# KiCad board FluOpti_V3.0.kicad_pcb
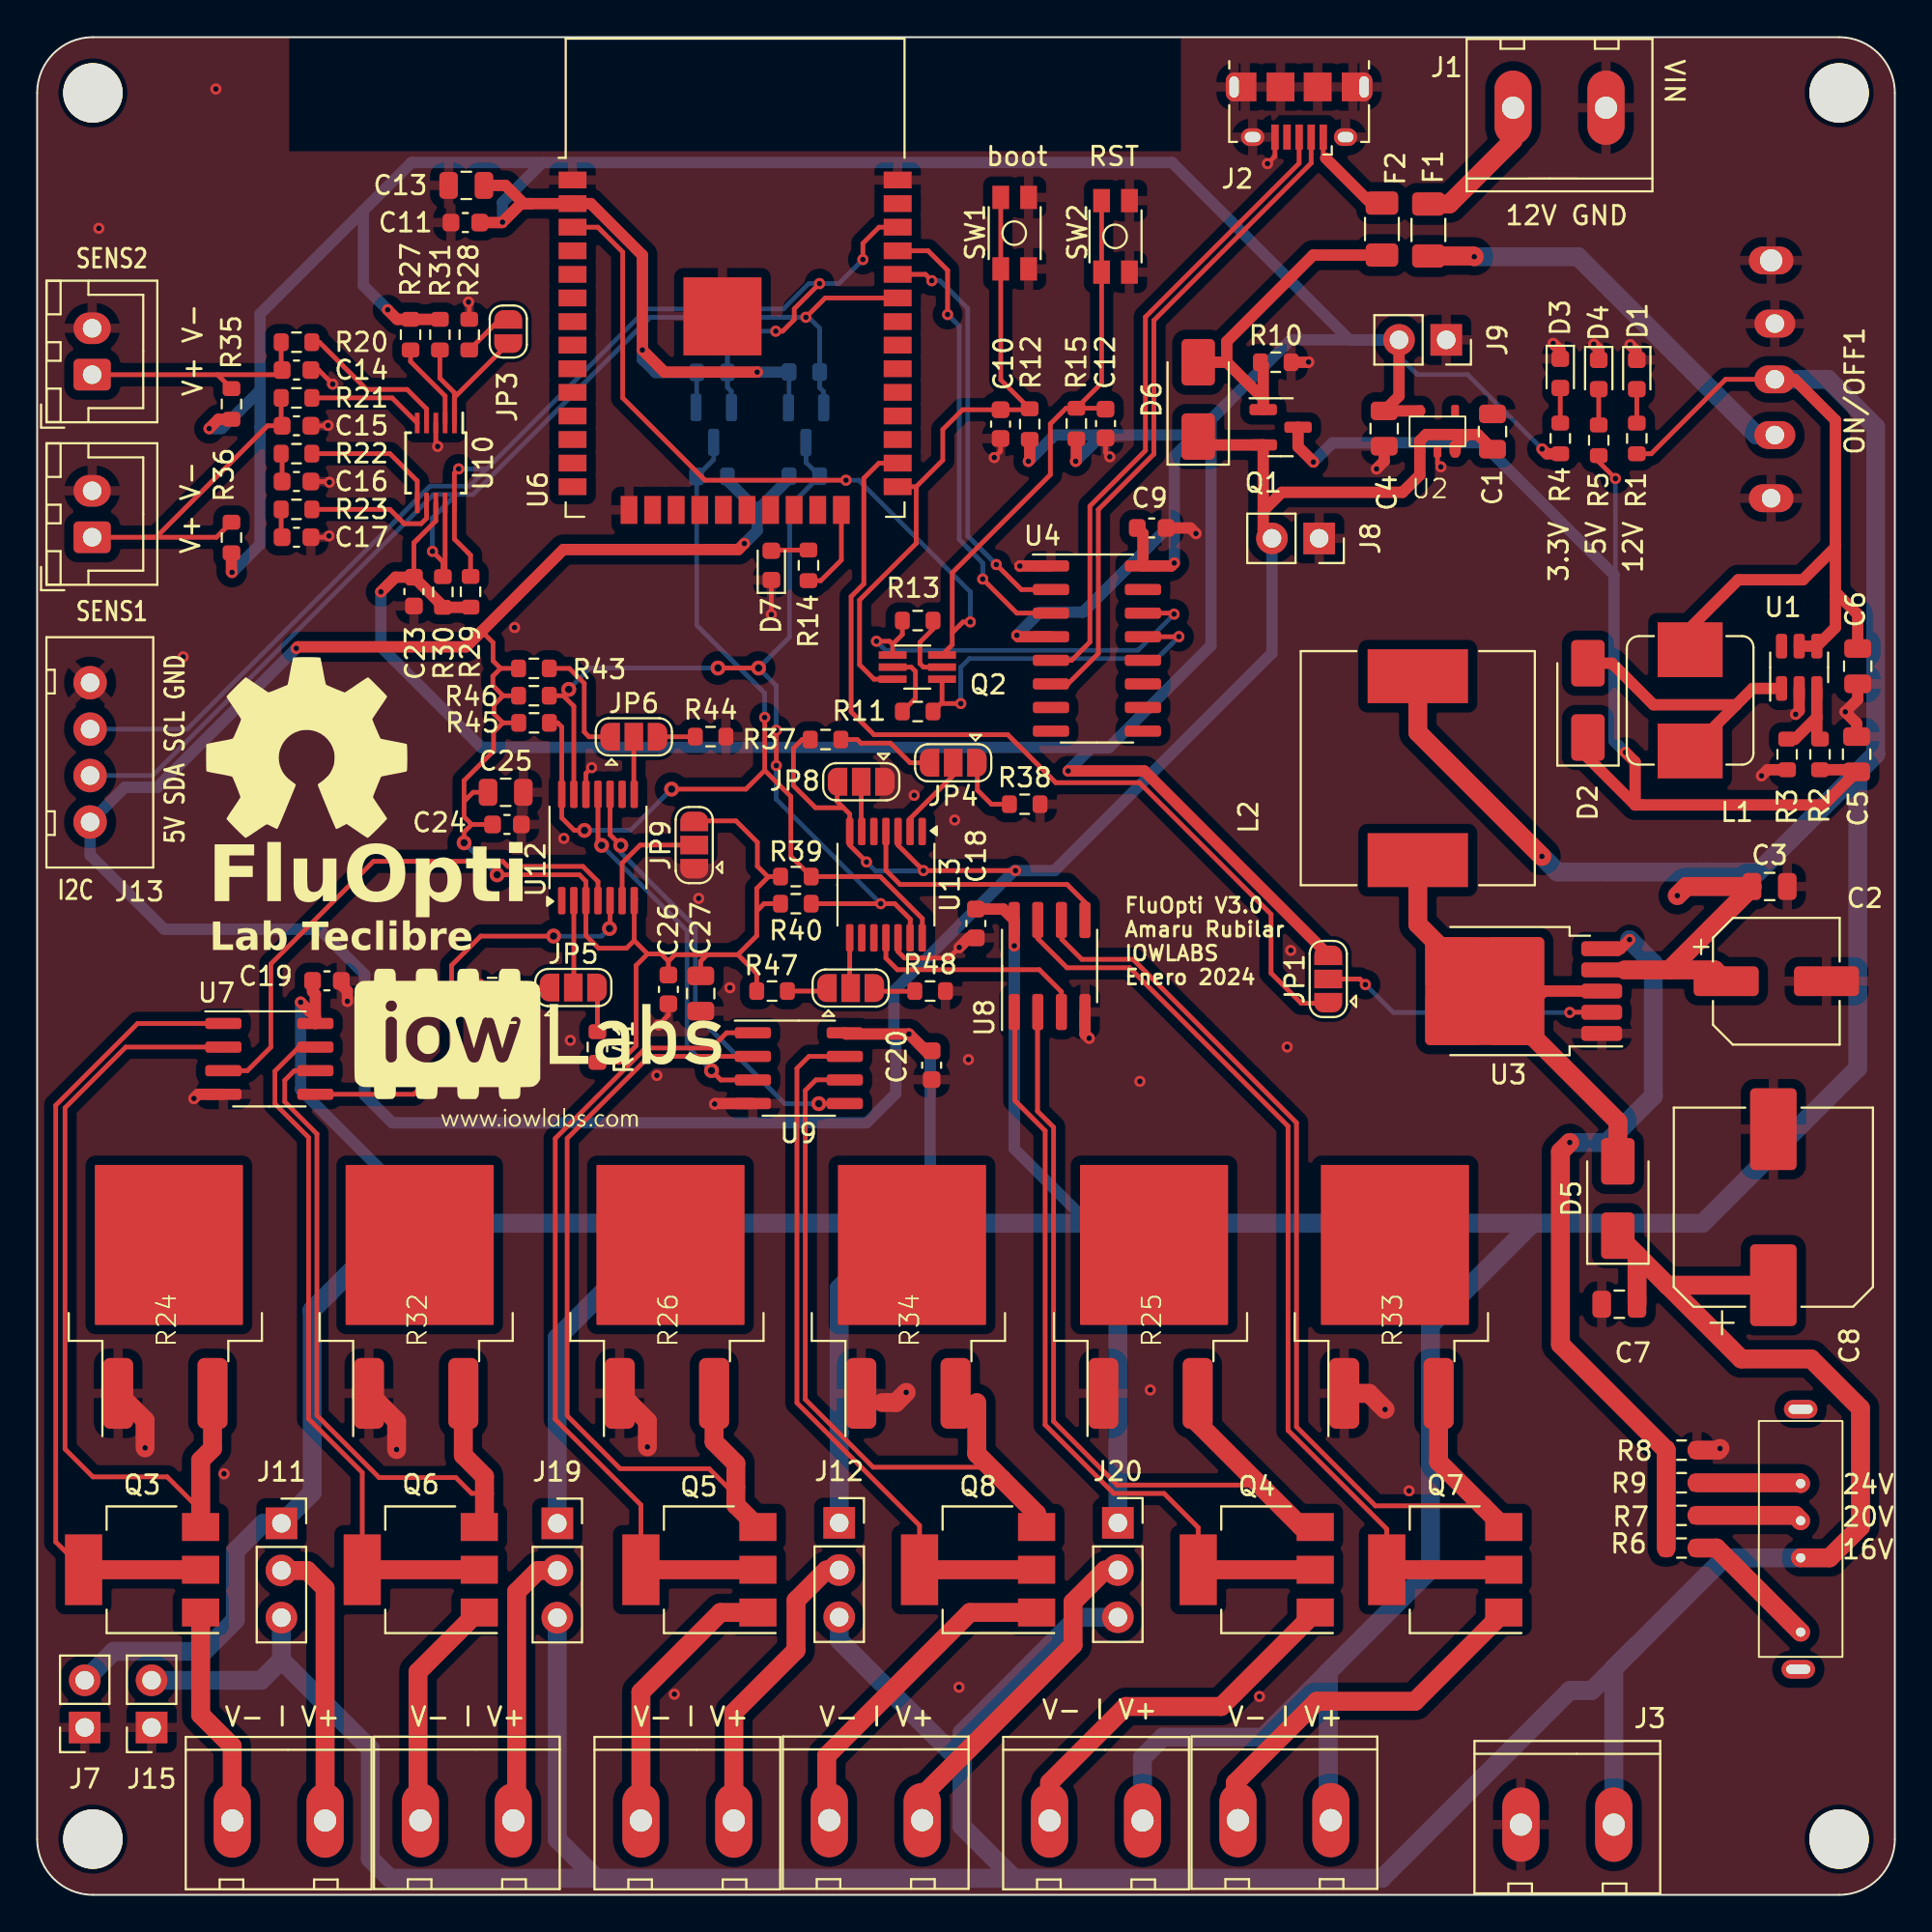
[diagram p0: board, top side]
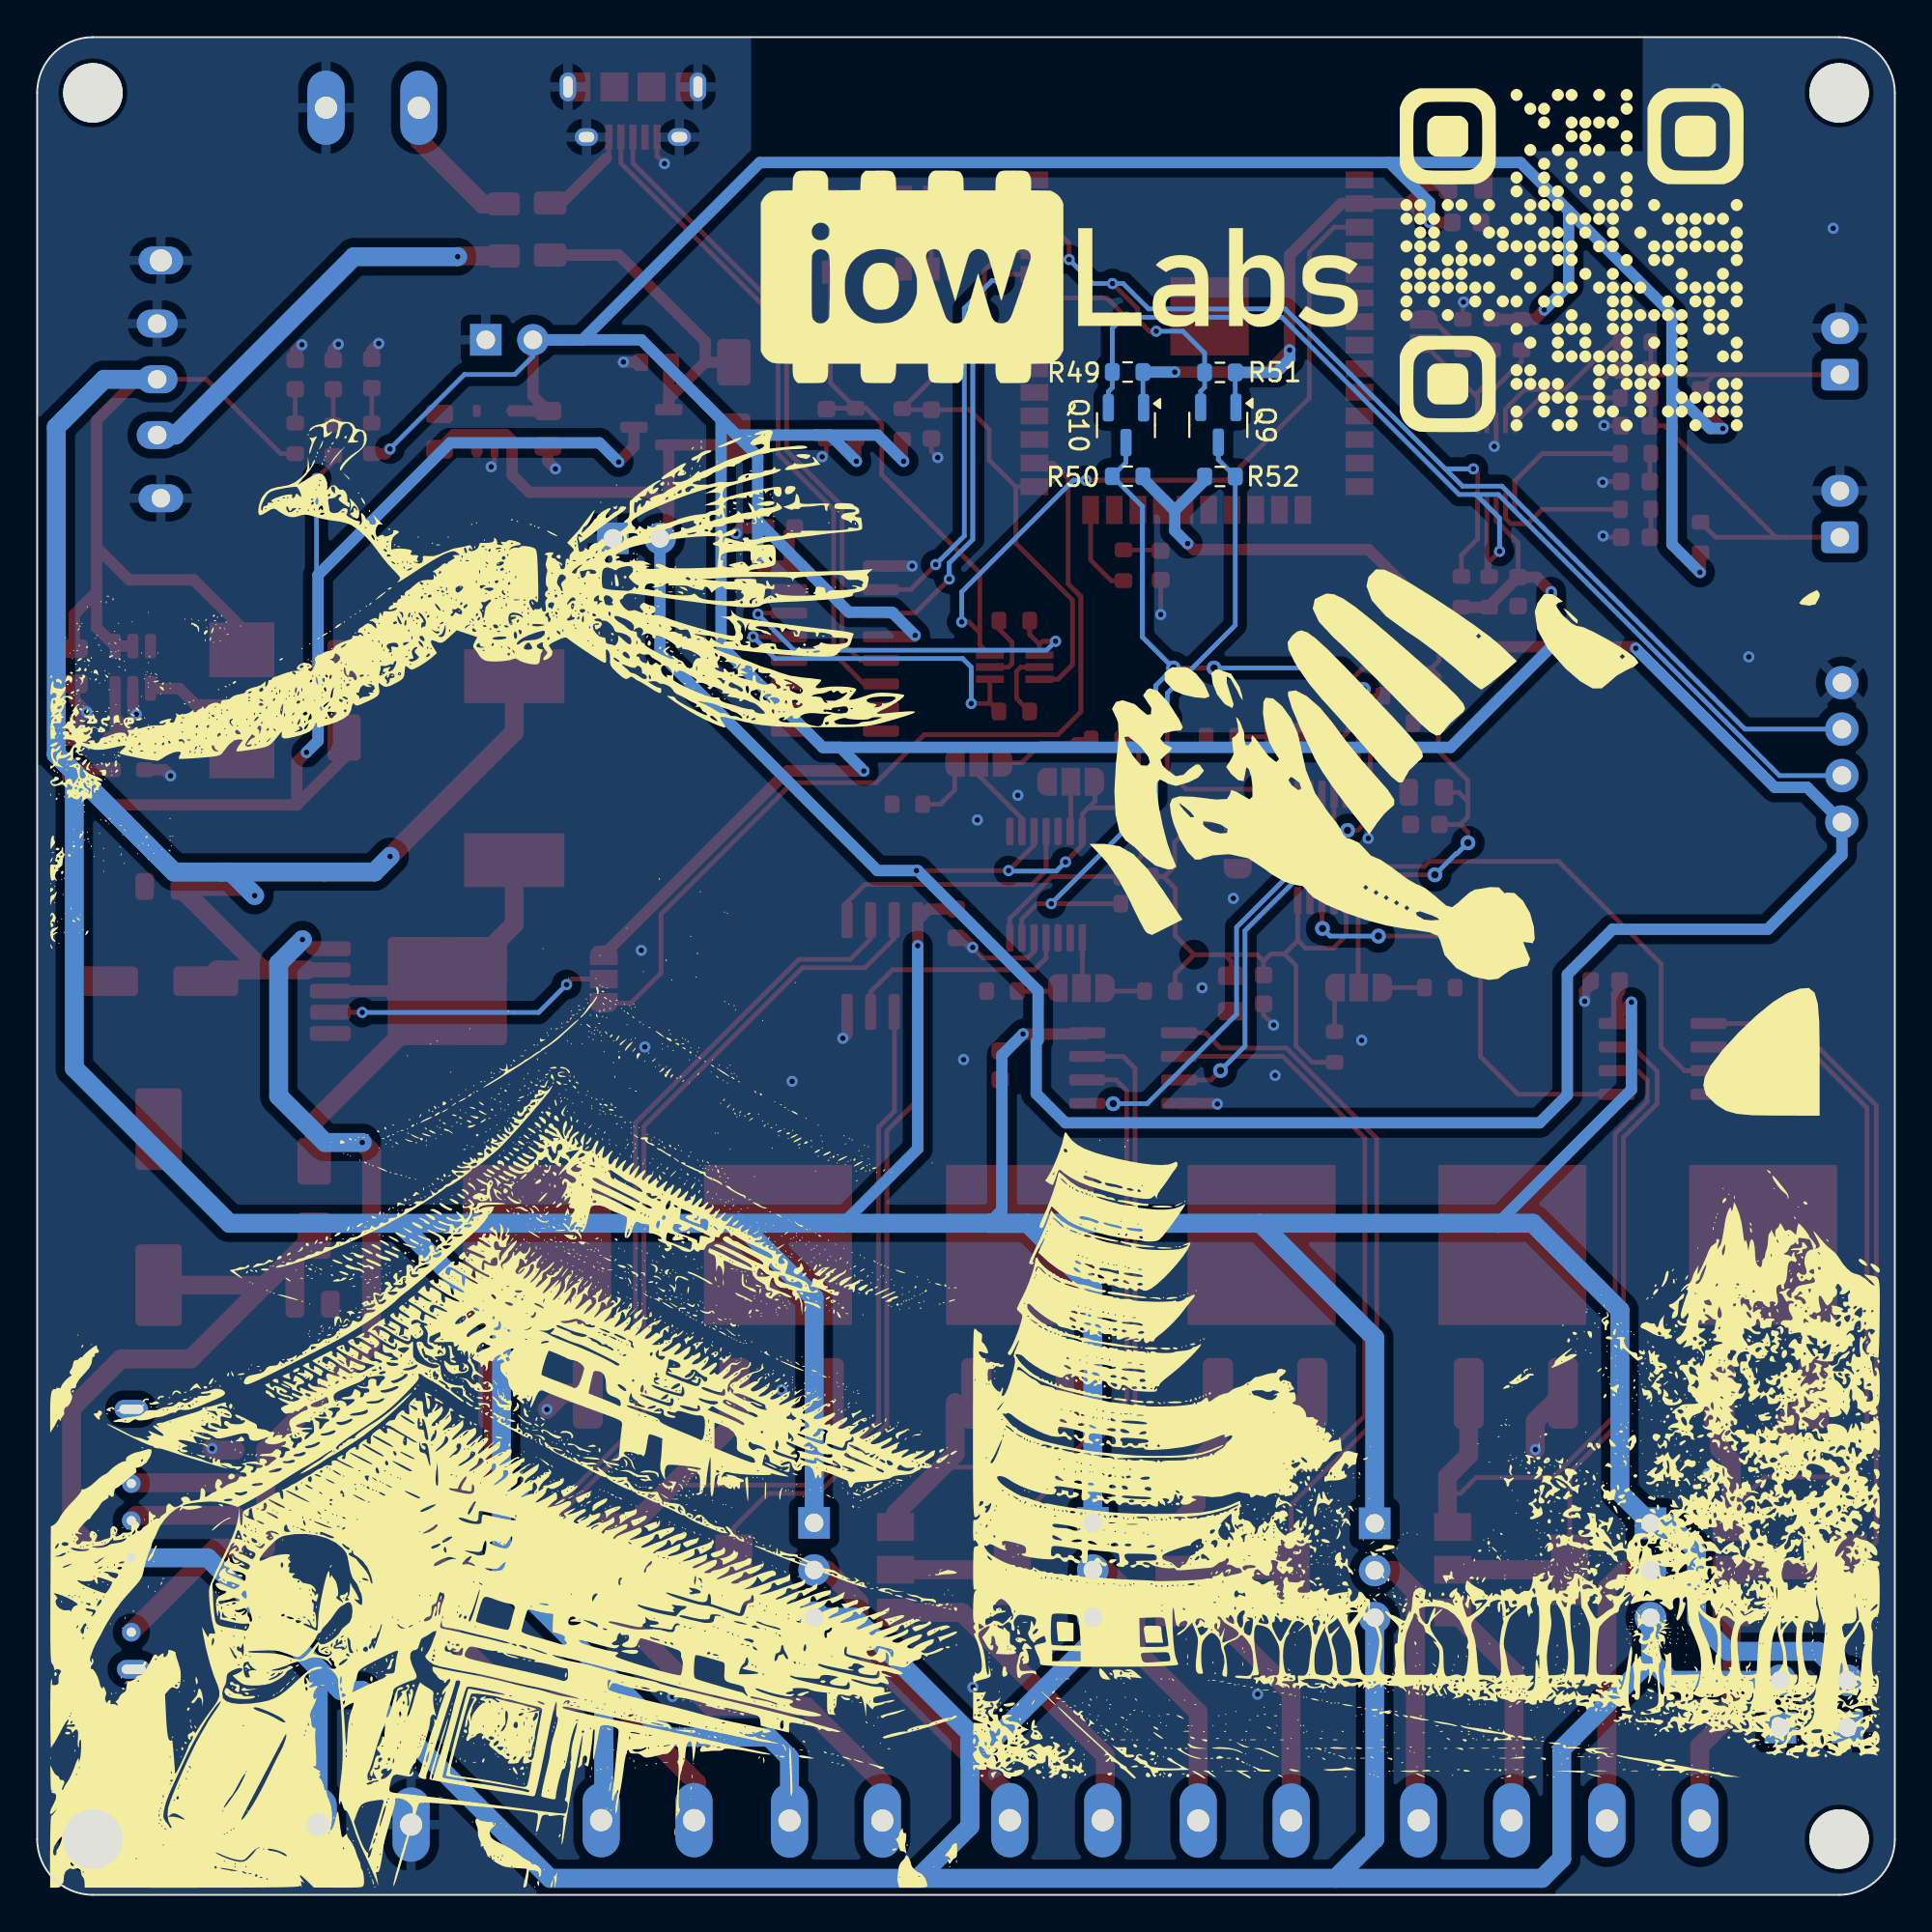
[diagram p1: board, bottom side, seen from below]

Outline 100 x 100 mm; copper layers: Top, Bottom. Coordinates in mm from the lower left corner of the outline.
Outline path: 0,97 0,3 arc(0.88,0.88) 3,0 97,0 arc(99.12,0.88) 100,3 100,97 arc(99.12,99.12) 97,100 3,100 arc(0.88,99.12) 0,97

## Placement (name value [footprint] x y rotation side)
C1  1u  [C_0805_2012Metric]  78.34 78.77 90 top
C2  47u  [CP_Elec_6.3x7.7]  93.62 49.18 0 top
C3  1u  [C_0805_2012Metric]  93.26 54.28 0 top
C4  1u  [C_0805_2012Metric]  72.51 78.93 270 top
C5  22u  [C_0805_2012Metric]  97.94 61.4 90 top
C6  22u  [C_0805_2012Metric]  98 66.14 270 top
C7  1u  [C_0805_2012Metric]  85.17 31.79 180 top
C8  220u  [CP_Elec_10x10.5]  93.46 37.02 90 top
C9  100n  [C_0603_1608Metric]  60 73.58 0 top
C10  100n  [C_0603_1608Metric]  51.86 79.17 270 top
C11  100n  [C_0603_1608Metric]  23.05 90.02 180 top
C12  100n  [C_0603_1608Metric]  57.51 79.2 270 top
C13  10u  [C_0805_2012Metric]  23.1 92.02 180 top
C14  100n  [C_0603_1608Metric]  13.96 82.08 0 top
C15  100n  [C_0603_1608Metric]  13.96 79.08 0 top
C16  100n  [C_0603_1608Metric]  13.96 76.08 0 top
C17  100n  [C_0603_1608Metric]  13.96 73.08 0 top
C18  100n  [C_0603_1608Metric]  50.53 52.29 270 top
C19  100n  [C_0603_1608Metric]  15.6 49.2 0 top
C20  100n  [C_0603_1608Metric]  48.15 44.66 270 top
C23  100n  [C_0603_1608Metric]  20.28 70.16 270 top
C24  100n  [C_0603_1608Metric]  25.29 57.62 0 top
C25  10u  [C_0805_2012Metric]  25.22 59.35 0 top
C26  100n  [C_0603_1608Metric]  33.98 48.74 270 top
C27  10u  [C_0805_2012Metric]  35.72 48.52 270 top
D1  LED  [LED_0603_1608Metric]  86.11 81.84 270 top
D2  D_Schottky  [D_SMA]  83.48 64.3 90 top
D3  LED  [LED_0603_1608Metric]  81.99 81.9 270 top
D4  LED  [LED_0603_1608Metric]  84.06 81.84 270 top
D5  D_Schottky  [D_SMA]  85.09 37.48 90 top
D6  D_Schottky  [D_SMA]  62.5 80.5 90 top
D7  LED  [LED_0603_1608Metric]  39.52 71.57 90 top
F1  Fuse  [Fuse_1206_3216Metric]  74.89 89.62 270 top
F2  FUSE  [Fuse_1206_3216Metric]  72.39 89.67 270 top
G***  LOGO  [iowlabs_logo_w_url]  27.06 45.43 0 top
G***#2  LOGO  [OpenHardware_10mm]  14.54 61.62 0 top
G***#3  LOGO  [torre inf]  74.92 35.42 180 bottom
G***#4  LOGO  [IoWLabs_logo_32mm]  44.8 87.1 180 bottom
G***#5  LOGO  [torre recut]  25.22 23.79 180 bottom
G***#6  LOGO  [qr]  17.4 88 180 bottom
G***#7  LOGO  [ho oh espalda]  68.43 69.92 180 bottom
G***#8  LOGO  [pluma_ho_oh_recut]  24.2 57.13 180 bottom
H1  MountingHole  [MountingHole_3.2mm_M3]  97 97 0 top
H2  MountingHole  [MountingHole_3.2mm_M3]  3 97 0 top
H3  MountingHole  [MountingHole_3.2mm_M3]  3 3 0 top
H4  MountingHole  [MountingHole_3.2mm_M3]  97 3 0 top
J1  HDR-2x1  [Tb-2x1-5p-TH-V]  81.95 96.2 0 top
J2  USB_B_Micro  [USB_Micro-B_Amphenol_10118194_Horizontal]  67.93 96.02 180 top
J3  HDR-2x1  [Tb-2x1-5p-TH-V]  82.37 3.78 180 top
J4  HDR-2x1  [JST_XH_B2B-XH-A_1x02_P2.50mm_Vertical]  2.96 81.83 90 top
J5  HDR-2x1  [Tb-2x1-5p-TH-V]  35 4 180 top
J6  HDR-2x1  [Tb-2x1-5p-TH-V]  57 4 180 top
J7  TP-PWR_IN  [PinSocket_1x02_P2.54mm_Vertical]  2.56 9.01 180 top
J8  TP-5V  [PinSocket_1x02_P2.54mm_Vertical]  69.01 73.02 270 top
J9  TP-3.3V  [PinSocket_1x02_P2.54mm_Vertical]  75.85 83.7 270 top
J10  HDR-2x1  [Tb-2x1-5p-TH-V]  13 4 180 top
J11  LED_1  [PinSocket_1x03_P2.54mm_Vertical]  13.15 20 0 top
J12  LED_3  [PinSocket_1x03_P2.54mm_Vertical]  43.17 20.03 0 top
J13  HDR-4x1  [JST-XH-4x1-2.5P-TH-V]  2.85 61.5 270 top
J14  HDR-2x1  [JST_XH_B2B-XH-A_1x02_P2.50mm_Vertical]  2.96 73.08 90 top
J15  TP-PWR_IN  [PinSocket_1x02_P2.54mm_Vertical]  6.16 9.01 180 top
J16  HDR-2x1  [Tb-2x1-5p-TH-V]  23.13 4.01 180 top
J17  HDR-2x1  [Tb-2x1-5p-TH-V]  45.14 4.02 180 top
J18  HDR-2x1  [Tb-2x1-5p-TH-V]  67.14 4.02 180 top
J19  LED_2  [PinSocket_1x03_P2.54mm_Vertical]  28 20 0 top
J20  LED_4  [PinSocket_1x03_P2.54mm_Vertical]  58.18 20.03 0 top
JP1  SolderJumper_3_Open  [SolderJumper-3_P1.3mm_Open_RoundedPad1.0x1.5mm]  69.5 49.3 90 top
JP3  Jumper_2_Open  [SolderJumper-2_P1.3mm_Open_RoundedPad1.0x1.5mm]  25.36 84.16 270 top
JP4  SolderJumper_3_Open  [SolderJumper-3_P1.3mm_Open_RoundedPad1.0x1.5mm]  49.31 60.94 180 top
JP5  SolderJumper_3_Open  [SolderJumper-3_P1.3mm_Open_RoundedPad1.0x1.5mm]  28.86 48.84 0 top
JP6  SolderJumper_3_Open  [SolderJumper-3_P1.3mm_Open_RoundedPad1.0x1.5mm]  32.12 62.34 0 top
JP7  SolderJumper_3_Open  [SolderJumper-3_P1.3mm_Open_RoundedPad1.0x1.5mm]  43.79 48.81 0 top
JP8  SolderJumper_3_Open  [SolderJumper-3_P1.3mm_Open_RoundedPad1.0x1.5mm]  44.36 59.92 180 top
JP9  SolderJumper_3_Open  [SolderJumper-3_P1.3mm_Open_RoundedPad1.0x1.5mm]  35.37 56.51 90 top
L1  22u  [L_Bourns_SRP7028A_7.3x6.6mm]  88.98 64.3 270 top
L2  33u  [L_12x12mm_H8mm]  74.32 60.65 270 top
ON/OFF1  ~  [SS-12F23-G040]  93.54 81.58 270 top
Q1  Q_PMOS_GSD  [SOT-23]  66.94 79 0 top
Q2  Q_Dual_NPN_NPN_BRT_E1B1C2E2B2C1  [SOT-363_SC-70-6_Handsoldering]  47.38 66.09 0 top
Q3  NPN  [SOT-223-3_TabPin2]  5.65 17.5 180 top
Q4  NPN  [SOT-223-3_TabPin2]  65.65 17.5 180 top
Q5  NPN  [SOT-223-3_TabPin2]  35.65 17.5 180 top
Q6  NPN  [SOT-223-3_TabPin2]  20.65 17.5 180 top
Q7  NPN  [SOT-223-3_TabPin2]  75.8 17.5 180 top
Q8  NPN  [SOT-223-3_TabPin2]  50.65 17.5 180 top
Q9  Q_NMOS_GSD  [SOT-23]  36.42 79.13 270 bottom
Q10  Q_NMOS_GSD  [SOT-23]  41.39 79.11 270 bottom
R1  1k  [R_0603_1608Metric]  86.11 78.4 270 top
R2  7K5  [R_0603_1608Metric]  95.97 61.39 90 top
R3  1K  [R_0603_1608Metric]  94.2 61.39 270 top
R4  1k  [R_0603_1608Metric]  81.99 78.4 270 top
R5  470  [R_0603_1608Metric]  84.06 78.3 90 top
R6  11.8k  [R_0603_1608Metric]  88.52 18.67 0 top
R7  15k  [R_0603_1608Metric]  88.52 20.43 0 top
R8  1k  [R_0603_1608Metric]  88.52 23.94 180 top
R9  18.2k  [R_0603_1608Metric]  88.52 22.18 0 top
R10  10K  [R_0603_1608Metric]  66.68 82.5 0 top
R11  10K  [R_0603_1608Metric]  47.4 63.7 180 top
R12  10K  [R_0603_1608Metric]  53.43 79.17 90 top
R13  10K  [R_0603_1608Metric]  47.4 68.59 180 top
R14  330  [R_0603_1608Metric]  41.52 71.57 90 top
R15  10K  [R_0603_1608Metric]  55.94 79.2 90 top
R20  220  [R_0603_1608Metric]  13.96 83.58 0 top
R21  220  [R_0603_1608Metric]  13.96 80.58 0 top
R22  220  [R_0603_1608Metric]  13.96 77.58 0 top
R23  220  [R_0603_1608Metric]  13.96 74.58 0 top
R24  5  [D2PAK]  7.47 30.94 90 top
R25  5  [D2PAK]  60.5 30.94 90 top
R26  5  [D2PAK]  34.47 30.94 90 top
R27  2k  [R_0603_1608Metric]  20.1 83.98 90 top
R28  10k  [R_0603_1608Metric]  23.26 83.98 90 top
R29  10k  [R_0603_1608Metric]  23.33 70.14 270 top
R30  10k  [R_0603_1608Metric]  21.84 70.14 270 top
R31  2k  [R_0603_1608Metric]  21.68 83.98 90 top
R32  5  [D2PAK]  20.97 30.94 90 top
R33  5  [D2PAK]  73.47 30.94 90 top
R34  5  [D2PAK]  47.47 30.94 90 top
R35  2k  [R_0603_1608Metric]  10.46 80.25 270 top
R36  2k  [R_0603_1608Metric]  10.46 73.06 270 top
R37  2k  [R_0603_1608Metric]  42.44 62.19 180 top
R38  10k  [R_0603_1608Metric]  53.16 58.71 0 top
R39  10k  [R_0603_1608Metric]  40.84 54.81 180 top
R40  10k  [R_0603_1608Metric]  40.84 53.36 180 top
R41  2k  [R_0603_1608Metric]  30.16 45.64 270 top
R42  10k  [R_0603_1608Metric]  24.5 48.84 180 top
R43  2k  [R_0603_1608Metric]  26.74 66.02 180 top
R44  10k  [R_0603_1608Metric]  36.25 62.35 0 top
R45  10k  [R_0603_1608Metric]  26.75 63.09 180 top
R46  10k  [R_0603_1608Metric]  26.74 64.55 180 top
R47  2k  [R_0603_1608Metric]  39.56 48.65 180 top
R48  10k  [R_0603_1608Metric]  48.07 48.65 0 top
R49  10k  [R_0603_1608Metric]  41.3 81.97 0 bottom
R50  10k  [R_0603_1608Metric]  41.3 76.36 0 bottom
R51  10k  [R_0603_1608Metric]  36.33 81.95 0 bottom
R52  10k  [R_0603_1608Metric]  36.33 76.35 180 bottom
SW1  SW_DIP_x02  [SMD_SWITCH]  52.62 89.45 90 top
SW2  SW_DIP_x02  [SMD_SWITCH]  58.05 89.28 90 top
U1  MT3608  [SOT-23-6]  94.85 66.08 90 top
U2  AP2112K-3.3TRG1  [SOT-25]  75.38 78.78 180 top
U3  XL6008  [TO-252-5_TabPin6]  79.18 48.65 180 top
U4  CH340C  [SOIC-16_3.9x9.9mm_P1.27mm]  57.05 67.09 0 top
U5  ~  [Switch SP3T SS13D07L2B]  94.93 18.14 90 top
U6  ESP32-WROOM-32D  [ESP32-WROOM-32]  37.57 84.06 0 top
U7  TLC272  [SOIC-8_3.9x4.9mm_P1.27mm]  12.5 45 0 top
U8  TLC272  [SOIC-8_3.9x4.9mm_P1.27mm]  54.5 50 90 top
U9  TLC272  [SOIC-8_3.9x4.9mm_P1.27mm]  41 44.5 0 top
U10  ADS1115IDGS  [TSSOP-10_3x3mm_P0.5mm]  21.46 77.08 270 top
U12  ~  [TSSOP-14_4.4x5mm_P0.65mm]  30.19 56.38 90 top
U13  ~  [TSSOP-14_4.4x5mm_P0.65mm]  45.69 54.38 270 top

## Library data of the parts
C1 C3 C4 C7 C14-C17 C23 = -: ki_fp_filters: C_*
C2 C8 = -: ki_fp_filters: CP_*
C5 C6 C9-C13 C18-C20 = -: C: 1u; Supplier: LCSC; Temp Coef: X5R; Voltage rated: 16V
C24-C27 = -: Supplier: LCSC; C: 1u; Voltage rated: 16V; Temp Coef: X5R
D1 D3 D4 D7 = -: ki_fp_filters: LED* LED_SMD:* LED_THT:*
D2 D5 D6 = -: ki_fp_filters: TO-???* *_Diode_* *SingleDiode* D_*
F1 = -: ki_fp_filters: *Fuse*
H1-H4 = -: Description: Mounting Hole without connection
J1 J3-J6 J10 J13 J14 J16-J18 R2 R3 R5 R10-R15 = -: Supplier: LCSC
J2 = -: ki_fp_filters: USB*
J7-J9 J11 J12 J15 J19 J20 = -: ki_fp_filters: Connector*:*_1x??_*
JP1 JP4-JP9 = -: ki_fp_filters: SolderJumper*Open*
JP3 = -: ki_fp_filters: Jumper* TestPoint*2Pads* TestPoint*Bridge*
L1 L2 = -: ki_fp_filters: Choke_* *Coil* Inductor_* L_*
Q2 = -: ki_fp_filters: SC?70* SC?88* SOT*363*
Q3-Q8 = -: Sim.Pins: 1=C 2=B 3=E; Sim.Type: GUMMELPOON
Q9 Q10 = -: Description: N-MOSFET transistor, gate/source/drain
R1 R4 R6-R9 R20-R52 = -: ki_fp_filters: R_*
SW1 SW2 = -: ki_fp_filters: SW?DIP?x2*
U1 = -: Datasheet: https://www.olimex.com/Products/Breadboarding/BB-PWR-3608/resources/MT3608.pdf; ki_fp_filters: SOT*23*
U4 = -: Datasheet: https://datasheet.lcsc.com/szlcsc/Jiangsu-Qin-Heng-CH340C_C84681.pdf; ki_fp_filters: SOIC*3.9x9.9mm*P1.27mm*
U6 = -: Datasheet: https://www.espressif.com/sites/default/files/documentation/esp32-wroom-32d_esp32-wroom-32u_datasheet_en.pdf; ki_fp_filters: ESP32?WROOM?32*
U7-U9 = -: Datasheet: http://www.ti.com/lit/ds/symlink/tlc272.pdf; ki_fp_filters: SOIC*3.9x4.9mm*P1.27mm* DIP*W7.62mm* TO*99* OnSemi*Micro8* TSSOP*3x3mm*P0.65mm* TSSOP*4.4x3mm*P0.65mm* MSOP*3x3mm*P0.65mm* SSOP*3.9x4.9mm*P0.635mm* LFCSP*2x2mm*P0.5mm* *SIP* SOIC*5.3x6.2mm*P1.27mm*
U10 = -: Datasheet: http://www.ti.com/lit/ds/symlink/ads1113.pdf; ki_fp_filters: TSSOP*3x3mm*P0.5mm*
